# KiCad board e003_rocker.kicad_pcb (continued)
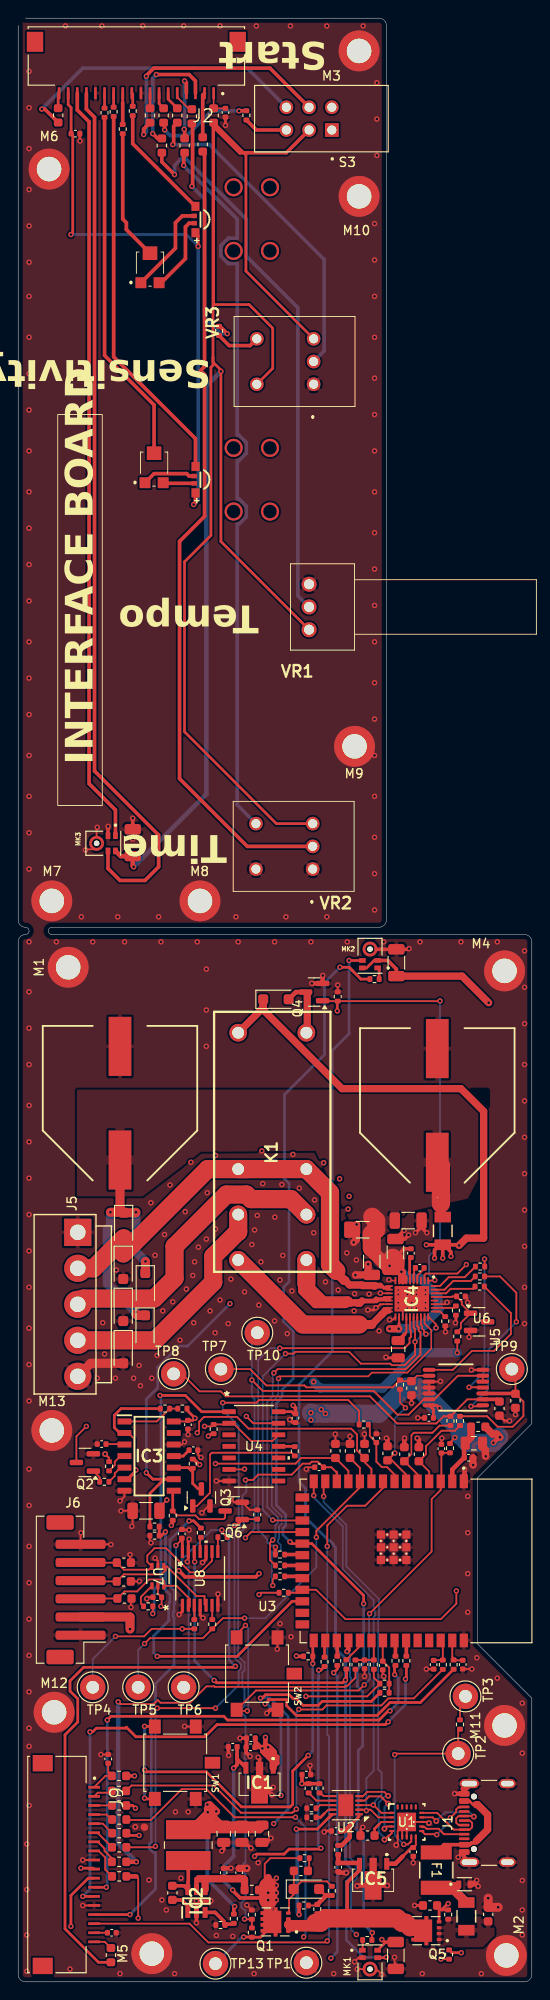
[diagram p0: board, top side]
## Library data of the parts (continued)

## Footprints (pads in the part's own frame, mm; a bottom-side part is the same pattern mirrored in y, then rotated)
BTN_ESWITCH_PBH2UXXSNPNAGX
  rect 1.508x1.508 hole 1: 1(0,0)
  round 1.508 hole 1: 2(-2.5,0) 3(-5,0) 4(0,2.5) 5(-2.5,2.5) 6(-5,2.5)
C_0402_1005Metric
  rrect 0.56x0.62 smd: 1(-0.48,0) 2(0.48,0)
C_0603_1608Metric
  rrect 0.9x0.95 smd: 1(-0.775,0) 2(0.775,0)
C_0805_2012Metric
  rrect 1x1.45 smd: 1(-0.95,0) 2(0.95,0)
C_1206_3216Metric
  rrect 1.15x1.8 smd: 1(-1.475,0) 2(1.475,0)
CAPP_PANASONIC_EEEFK0J682AM
  rect 6.5x2.5 smd: 1(-6.25,0) 2(6.25,0)
CONN_AMPHENOL_F51L-1A7H1-11018
  rect 0.3x1.3 smd: 1(-8.5,5.65) 2(-7.5,5.65) 3(-6.5,5.65) 4(-5.5,5.65) 5(-4.5,5.65) 6(-3.5,5.65) 7(-2.5,5.65) 8(-1.5,5.65) 9(-0.5,5.65) 10(0.5,5.65) 11(1.5,5.65) 12(2.5,5.65) 13(3.5,5.65) 14(4.5,5.65) 15(5.5,5.65) 16(6.5,5.65) 17(7.5,5.65) 18(8.5,5.65)
  rect 1.8x2.2 smd: S1(-11.15,0) S2(11.15,0)
CONN_JST_B5P-VH
  rect 3x3 hole 1.7: 1(-7.92,0)
  round 3 hole 1.7: 2(-3.96,0) 3(0,0) 4(3.96,0) 5(7.92,0)
D_SOD-123F
  rrect 1.1x1.1 smd: 1(-1.4,0) 2(1.4,0)
DFN-10-1EP_3x3mm_P0.5mm_EP1.65x2.38mm
  rrect 0.67x0.96 smd: (-0.41,0.595) (-0.41,-0.595) (0.41,0.595) (0.41,-0.595)
  rrect 0.85x0.25 smd: 1(-1.45,1) 2(-1.45,0.5) 3(-1.45,0) 4(-1.45,-0.5) 5(-1.45,-1) 6(1.45,-1) 7(1.45,-0.5) 8(1.45,0) 9(1.45,0.5) 10(1.45,1)
  rect 1.65x2.38 smd: 11(0,0)
DIOD_STM_ESDA25P35-1U1M
  rect 0.55x0.8 smd: A(0.625,0) C(-0.625,0)
IC_DIODES_AP738133Y13
  rect 0.55x1.3 smd: 1(-1.5,-0.394) 3(1.5,-0.394)
  rect 0.8x1.475 smd: 2(0,-0.306)
  rect 1.85x3.125 smd: 4(0,1.994)
IC_EXPIF_ESP32-S3-WROOM-1-N8R2
  rect 1.5x0.9 smd: 1(-8.75,5.26) 2(-8.75,3.99) 3(-8.75,2.72) 4(-8.75,1.45) 5(-8.75,0.18) 6(-8.75,-1.09) 7(-8.75,-2.36) 8(-8.75,-3.63) 9(-8.75,-4.9) 10(-8.75,-6.17) 11(-8.75,-7.44) 12(-8.75,-8.71) 13(-8.75,-9.98) 14(-8.75,-11.25) 27(8.75,-11.25) 28(8.75,-9.98) 29(8.75,-8.71) 30(8.75,-7.44) 31(8.75,-6.17) 32(8.75,-4.9) 33(8.75,-3.63) 34(8.75,-2.36) 35(8.75,-1.09) 36(8.75,0.18) 37(8.75,1.45) 38(8.75,2.72) 39(8.75,3.99) 40(8.75,5.26)
  rect 0.9x1.5 smd: 15(-6.985,-12.5) 16(-5.715,-12.5) 17(-4.445,-12.5) 18(-3.175,-12.5) 19(-1.905,-12.5) 20(-0.635,-12.5) 21(0.635,-12.5) 22(1.905,-12.5) 23(3.175,-12.5) 24(4.445,-12.5) 25(5.715,-12.5) 26(6.985,-12.5)
  rect 0.9x0.9 smd: 41_1(-1.5,-2.46) 41_2(-2.9,-2.46) 41_3(-0.1,-2.46) 41_4(-2.9,-3.86) 41_5(-1.5,-3.86) 41_6(-0.1,-3.86) 41_7(-2.9,-1.06) 41_8(-1.5,-1.06) 41_9(-0.1,-1.06)
  round 0.4 hole 0.2: 41_7(-2.9,-1.76) 41_7(-2.9,-3.16) 41_7(-2.2,-1.06) 41_7(-2.2,-2.46) 41_7(-2.2,-3.86) 41_7(-1.5,-1.76) 41_7(-1.5,-3.16) 41_7(-0.8,-1.06) 41_7(-0.8,-2.46) 41_7(-0.8,-3.86) 41_7(-0.1,-1.76) 41_7(-0.1,-3.16)
IC_NEXPERIA_74HC393D
  rect 1.46x0.533 smd: 1(-2.724,3.81) 2(-2.724,2.54) 3(-2.724,1.27) 4(-2.724,0) 5(-2.724,-1.27) 6(-2.724,-2.54) 7(-2.724,-3.81) 8(2.724,-3.81) 9(2.724,-2.54) 10(2.724,-1.27) 11(2.724,0) 12(2.724,1.27) 13(2.724,2.54) 14(2.724,3.81)
IC_NEXPERIA_74LVC1G386GW
  rect 0.787x0.356 smd: 1(-1.067,0.65) 2(-1.067,0) 3(-1.067,-0.65) 4(1.067,-0.65) 5(1.067,0) 6(1.067,0.65)
IC_RUNIC_RS2254XQ
  oval 1.4x0.45 smd: 1(-2.95,1.95) 2(-2.95,1.3) 3(-2.95,0.65) 4(-2.95,0) 5(-2.95,-0.65) 6(-2.95,-1.3) 7(-2.95,-1.95) 8(2.95,-1.95) 9(2.95,-1.3) 10(2.95,-0.65) 11(2.95,0) 12(2.95,0.65) 13(2.95,1.3) 14(2.95,1.95)
IC_TEXAS_TPD4S201TRGR
  oval 0.6x0.24 smd: 1(-1.65,1) 2(-1.65,0.5) 3(-1.65,0) 4(-1.65,-0.5) 5(-1.65,-1) 11(1.65,-1) 12(1.65,-0.5) 13(1.65,0) 14(1.65,0.5) 15(1.65,1)
  oval 0.24x0.6 smd: 6(-1,-1.65) 7(-0.5,-1.65) 8(0,-1.65) 9(0.5,-1.65) 10(1,-1.65) 16(1,1.65) 17(0.5,1.65) 18(0,1.65) 19(-0.5,1.65) 20(-1,1.65)
  round 0.5 hole 0.203: 21(-0.775,0) 21(0,0.775) 21(0,-0.775) 21(0.775,0)
  rect 2.05x2.05 smd: 21(0,0)
IC_TOSHIBA_74VHCT126AFT
  rect 1.41x0.356 smd: 1(-2.953,1.95) 2(-2.953,1.3) 3(-2.953,0.65) 4(-2.953,0) 5(-2.953,-0.65) 6(-2.953,-1.3) 7(-2.953,-1.95) 8(2.953,-1.95) 9(2.953,-1.3) 10(2.953,-0.65) 11(2.953,0) 12(2.953,0.65) 13(2.953,1.3) 14(2.953,1.95)
IND_TDK_VLCF5028T-220MR71-2
  rect 2.1x4.9 smd: 1(-1.7,0) 2(1.7,0)
INDC_TAY_FBMH3216HM221NT
  rect 1.168x1.803 smd: 1(-1.524,0) 2(1.524,0)
JST_PH_B6B-PH-SM4-TB_1x06-1MP_P2.00mm_Vertical
  rrect 1x5.5 smd: 1(-5,-0.5) 2(-3,-0.5) 3(-1,-0.5) 4(1,-0.5) 5(3,-0.5) 6(5,-0.5)
  rrect 1.6x3 smd: MP(-7.4,1.75) MP(7.4,1.75)
L_0603_1608Metric
  rrect 0.875x0.95 smd: 1(-0.787,0) 2(0.787,0)
LED_XINLIGHT_XL-3210RGBC-YG
  rect 0.5x0.6 smd: 1(-0.4,0.34) 2(0.4,0.34)
  rect 1x0.88 smd: 3(-1.45,0.2) 4(1.45,0.2)
MIC_KNOWLES_SPH0641LM4H-1
  round 0.6 hole 0.6 unplated: (0,0)
  rect 0.725x0.522 smd: 1(-0.838,2.074) 2(-0.838,1.252) 4(0.838,1.252) 5(0.838,2.074)
  custom 0.823x1.636 smd: 3_1(-0.662,0) 3_2(0.662,0)
MountingHole_2.7mm_M2.5_ISO7380_Pad
  round 4.5 hole 2.7: 1(0,0)
PFUSE_LITTLEFUSE_1812L20016DR
  rect 1.549x3.404 smd: 1(-1.943,0) 2(1.943,0)
POT_ALPS_RK09711110EL
  round 1.5 hole 1: 1(0,0) 2(0,2.5) 3(0,5) 4(-6.25,0) 5(-6.25,5)
POT_ALPS_RK097111080R
  round 1.65 hole 1.1: 1(0,0) 2(2.5,0) 3(5,0)
POT_BOURNS_TC33X2201E
  rect 1.2x1.2 smd: 1(-1,-1.625) 3(1,-1.625)
  rect 1.6x1.5 smd: 2(0,1.625)
QFN40P400X500X80-37N-D
  rect 0.8x0.2 smd: 1(-2,1.8) 2(-2,1.4) 3(-2,1) 4(-2,0.6) 5(-2,0.2) 6(-2,-0.2) 7(-2,-0.6) 8(-2,-1) 9(-2,-1.4) 10(-2,-1.8) 19(2,-1.8) 20(2,-1.4) 21(2,-1) 22(2,-0.6) 23(2,-0.2) 24(2,0.2) 25(2,0.6) 26(2,1) 27(2,1.4) 28(2,1.8)
  rect 0.2x0.8 smd: 11(-1.4,-2.5) 12(-1,-2.5) 13(-0.6,-2.5) 14(-0.2,-2.5) 15(0.2,-2.5) 16(0.6,-2.5) 17(1,-2.5) 18(1.4,-2.5) 29(1.4,2.5) 30(1,2.5) 31(0.6,2.5) 32(0.2,2.5) 33(-0.2,2.5) 34(-0.6,2.5) 35(-1,2.5) 36(-1.4,2.5)
  rect 2.8x3.8 smd: 37(0,0)
R_0402_1005Metric
  rrect 0.54x0.64 smd: 1(-0.51,0) 2(0.51,0)
REL_PANASONIC_JW2SN-DC12V
  round 1.95 hole 1.3: 1(0,-3.75) 2(0,3.75) 3(5,-3.75) 4(5,3.75) 5(10,-3.75) 6(10,3.75) 7(25,-3.75) 8(25,3.75)
SOIC127P600X175-14N
  rect 1.525x0.65 smd: 1(-2.712,3.81) 2(-2.712,2.54) 3(-2.712,1.27) 4(-2.712,0) 5(-2.712,-1.27) 6(-2.712,-2.54) 7(-2.712,-3.81) 8(2.712,-3.81) 9(2.712,-2.54) 10(2.712,-1.27) 11(2.712,0) 12(2.712,1.27) 13(2.712,2.54) 14(2.712,3.81)
SOT95P280X125-6N
  rect 1.2x0.55 smd: 1(-1.25,0.95) 2(-1.25,0) 3(-1.25,-0.95) 4(1.25,-0.95) 5(1.25,0) 6(1.25,0.95)
SOT-23
  rrect 1.475x0.6 smd: 1(-0.938,0.95) 2(-0.938,-0.95) 3(0.938,0)
SW_SPST_B3S-1100
  rect 1.55x1.3 smd: 1(-3.98,3.17) 1(3.98,3.17) 2(-3.98,-1.33) 2(3.98,-1.33)
  rect 1.3x1.7 smd: 3(0,-3.17)
TestPoint_Loop_D2.60mm_Drill1.4mm_Beaded
  round 2.8 hole 1.4: 1(0,0)
TRAN_ALPHA__AONR21307
  rect 0.5x0.35 smd: 1(-1.4,0.975) 2(-1.4,0.325) 3(-1.4,-0.325) 4(-1.4,-0.975)
  custom 2.29x3.22 smd: 5_6_7_8(0,0)
USB_C_Receptacle_GCT_USB4105-xx-A_16P_TopMnt_Horizontal
  round 0.65 hole 0.65 unplated: (-2.89,2.605) (2.89,2.605)
  rrect 0.6x1.15 smd: A1(-3.2,3.68) A4(-2.4,3.68) A9(2.4,3.68) A12(3.2,3.68) B1(3.2,3.68) B4(2.4,3.68) B9(-2.4,3.68) B12(-3.2,3.68)
  rrect 0.3x1.15 smd: A5(-1.25,3.68) A6(-0.25,3.68) A7(0.25,3.68) A8(1.25,3.68) B5(1.75,3.68) B6(0.75,3.68) B7(-0.75,3.68) B8(-1.75,3.68)
  oval 1x2.1 hole 0.6x1.7: S1(-4.32,3.105) S1(4.32,3.105)
  oval 1x1.8 hole 0.6x1.4: S1(-4.32,-1.075) S1(4.32,-1.075)

## Nets
+3V3: C10.1 C11.1 C13.1 C14.1 C15.1 C16.1 C47.1 C55.1 L4.2 L6.2 L13.2 MK1.5 MK2.2 MK2.5 R2.2 R8.2 R9.2 R20.2 R21.2 R33.2 R41.2 R50.2 U6.14 U8.14
+5V: C6.1 C7.1 C30.1 C33.1 C63.1 IC1.1 IC3.14 J6.2 R23.2 R25.2 R29.2 R34.2 R36.2 R39.2 U4.14 U7.5
+12V: C1.1 D2.1 IC1.3 K1.8 L2.1 L14.2 Q1.5_6_7_8 R11.2 R49.1 TP13.1
/3V3_LDO: C57.1 IC5.1 U1.10
/5V5: C20.1 J9.17
/interface_board/3V3: C17.1 L1.2 MK3.5 S3.2 VR1.1 VR2.3 VR3.3 VR3.4
/interface_board/5V5: C60.1 J2.17 LED1.3 LED2.3
/VBUS_CUT: C4.1 L3.2 Q5.1 Q5.2 Q5.3 R72.2
/VBUS_PORT: F1.1 J1.A4 J1.A9 J1.B4 J1.B9
/VBUS_TVS: D1.C F1.2 L3.1
GND: C1.2 C2.2 C3.2 C4.2 C5.2 C6.2 C7.2 C9.2 C10.2 C11.2 C12.2 C13.2 C14.2 C15.2 C16.2 C17.2 C18.2 C19.2 C20.2 C21.2 C22.2 C23.2 C24.2 C25.2 C26.2 C27.2 C28.2 C29.2 C30.2 C31.2 C32.2 C33.2 C34.2 C35.2 C36.2 C37.2 C38.2 C39.2 C41.1 C42.2 C44.2 C45.2 C46.2 C47.2 C48.2 C49.2 C50.2 C51.2 C52.2 C53.2 C54.2 C55.2 C56.2 C57.2 C59.2 C60.2 C61.2 C62.2 C63.2 D1.A D4.2 D6.2 D8.2 IC1.2 IC1.4 IC2.2 IC3.7 IC3.12 IC4.10 IC4.13 IC4.16 IC4.19 IC4.21 IC4.31 IC4.37 IC5.2 IC5.4 J1.A1 J1.A12 J1.B1 J1.B12 J1.S1 J2.9 J2.14 J5.1 J5.5 J6.1 J6.6 J9.9 J9.14 M1.1 M2.1 M3.1 M4.1 M5.1 M6.1 M7.1 M8.1 M9.1 M10.1 M11.1 M12.1 M13.1 MK1.2 MK1.3_1 MK1.3_2 MK2.3_1 MK2.3_2 MK3.2 MK3.3_1 MK3.3_2 Q2.2 Q3.2 Q4.2 Q6.2 R3.1 R4.1 R12.1 R13.1 R31.1 R42.1 R44.1 R52.1 R57.1 SW1.2 SW2.2 TP1.1 U1.6 U1.7 U1.8 U1.13 U1.21 U2.11 U3.1 U3.40 U3.41_1 U3.41_2 U3.41_3 U3.41_4 U3.41_5 U3.41_6 U3.41_7 U3.41_8 U3.41_9 U4.7 U5.2 U6.7 U6.10 U6.11 U6.12 U7.2 U8.1 U8.4 U8.7 U8.10 U8.13 VR1.3 VR2.1 VR2.4 VR3.1
VBUS: C56.1 IC5.3 Q1.1 Q1.2 Q1.3 Q5.5_6_7_8 R6.2 R51.1
/DRV-HIZ_N: IC4.24 IC4.26 IC4.28 U3.17
/DRV_FAULT: IC4.2 R41.1 U3.23
/ESP-RXD: U3.36
/ESP-TXD: U3.37
/ESP_EN: C25.1 R21.1 SW2.1 U3.3
/ESP_IO0: R20.1 SW1.1 U3.27
/FAULT_RESET_IN: L23.1 U3.30
/GIO46: U3.16
/GIO48: U3.25
/HALL-A: C24.1 R46.1 TP4.1 U3.9
/HALL-B: C28.1 R47.2 TP5.1 U3.10
/HALL-C: C29.1 R48.1 TP6.1 U3.11
/interface_board/FAULT_RESET_IN: L17.1 S3.5
/interface_board/FAULT_RESET_OUT: L19.1 S3.6
/interface_board/MIC_CLK_BUFFERED: J2.15 MK3.4
/interface_board/MIC_DATA2: J2.16 MK3.1
/interface_board/ON_BTN: L12.1 VR2.5
/interface_board/ON_LED_GB: J2.11 R70.2
/interface_board/ON_LED_R: J2.10 R68.1
/interface_board/POT_SENSOR: L15.1 VR3.2
/interface_board/POT_SPEED: L11.1 VR1.2
/interface_board/POT_TIME: L10.1 VR2.2
/interface_board/SENS_LED_GB: J2.13 R28.2
/interface_board/SENS_LED_R: J2.12 R66.1
/interface_board/SENSOR_BTN: L18.1 R27.2
/interface_board/START_BTN: L16.1 R71.2
/ISENS_A: C50.1 R17.2 TP9.1 U6.3
/ISENS_B: C51.1 R15.2 TP8.1 U6.2
/ISENS_C: C49.1 R14.2 TP7.1 U6.9
/MIC_CLK: MK1.4 MK2.4 R22.2 U8.12
/MIC_CLK_BUFFERED: J9.15 R55.1
/MIC_DATA1: R7.1 R10.1 U3.19
/MIC_DATA2: J9.16 U3.8
/Motor Control/DRV-INHA: IC4.23 R19.2
/Motor Control/DRV-INHB: IC4.25 R18.2
/Motor Control/DRV-INHC: IC4.27 R16.2
/Motor Control/DRV_AVDD: C45.1 IC4.22
/Motor Control/HALL_A: C54.1 J6.3 U7.6 U8.2
/Motor Control/HALL_B: C53.1 J6.4 U7.1 U8.5
/Motor Control/HALL_C: C52.1 J6.5 U7.3 U8.9
/Motor Control/HALL_EDGE: R45.2 U4.1
/Motor Control/MIC_CLOCK_BUFFERED: R55.2 U8.11
/Motor Control/MTR_U: D3.2 D4.1 J5.4 K1.4
/Motor Control/MTR_V: D5.2 D6.1 J5.3 K1.3
/Motor Control/MTR_W: D7.2 D8.1 IC4.11 IC4.12 J5.2 K1.5 K1.6
/Motor Control/nSLEEP: IC3.9 IC4.1 Q4.1 R42.2 R43.2
/Motor Control/VM: C32.1 C34.1 C36.1 C37.1 C38.1 C39.1 C43.1 D3.1 D5.1 D7.1 IC4.7 IC4.8 IC4.9 IC4.20 L14.1
/ON_BTN: L9.1 R73.1
/ON_LED_GB: J9.11 R59.1
/ON_LED_R: J9.10 R56.1
/PORT_FLT: R1.1 TP2.1 U1.9
/POT_SENS_FILT: C46.1 R60.1 U3.7
/POT_SENSOR: L21.1 R60.2
/POT_SPEED: L8.1 R30.2
/POT_SPEED_FILT: C5.1 R30.1 U3.39
/POT_TIME: L7.1 R32.2
/POT_TIME_FILT: C9.1 R32.1 U3.38
/RESET_FAULT: L25.1 Q6.1 R13.2
/SAMPLE_HOLD: TP10.1 U3.18 U6.5 U6.6 U6.13
/SCL: R9.1 U2.7
/SDA: R8.1 U2.6
/SENS_LED_GB: J9.13 R61.1
/SENS_LED_R: J9.12 R62.1
/SENSOR_BTN: L20.1 R54.1
/SPEED_FAULT: R43.1 R44.2 U3.24
/START_BTN: L22.1 R53.1
USB_DM: U1.1 U2.3 U3.13
USB_DP: U1.2 U2.2 U3.14
VM_SENSE: C18.1 R11.1 R12.2 U3.12
Net-(C58-Pad2): C58.2 R49.2
Net-(D2-A): D2.2 K1.7 Q4.3
Net-(D9-A): D9.2 R5.2 R6.1 R58.2
Net-(D9-K): C58.1 D9.1 Q1.4 R58.1
Net-(IC2-BOOT): C8.1 IC2.1
Net-(IC2-EN): C2.1 C3.1 IC2.4 IC2.5 L2.2
Net-(IC2-FB): IC2.3 R2.1 R3.2
Net-(IC2-SW): C8.2 IC2.6 L4.1
Net-(IC3B-1CONT): C35.1 IC3.3
Net-(IC3B-1DISCH): IC3.1 R23.1 R24.2
Net-(IC3B-1OUT): IC3.5 R26.2
Net-(IC3B-1RESET): IC3.4 R25.1
Net-(IC3B-1THRES): C31.1 IC3.2 IC3.6 R24.1
Net-(IC3C-2CONT): C48.1 IC3.11
Net-(IC3C-2RESET): IC3.10 Q3.3 R36.1
Net-(IC3C-2TRIG): IC3.8 Q6.3 R39.1
Net-(IC4-CP): C43.2 IC4.6
Net-(IC4-CPH): C40.1 IC4.5
Net-(IC4-CPL): C40.2 IC4.4
Net-(IC4-CSAREF): C42.1 IC4.33 R34.1 U5.1
Net-(IC4-GAIN): IC4.29 R4.2
Net-(IC4-OUTB_1): IC4.14 IC4.15 K1.1
Net-(IC4-OUTC_1): IC4.17 IC4.18 K1.2
Net-(IC4-SLEW): IC4.30 R31.2
Net-(IC4-SOA): IC4.36 R37.2
Net-(IC4-SOB): IC4.35 R38.2
Net-(IC4-SOC): IC4.34 R40.2
Net-(J1-CC1): J1.A5 U1.12
Net-(J1-CC2): J1.B5 U1.11
Net-(J2-Pin_1): C61.1 J2.1 L1.1
Net-(J2-Pin_2): J2.2 L10.2
Net-(J2-Pin_3): J2.3 L11.2
Net-(J2-Pin_4): J2.4 L12.2
Net-(J2-Pin_5): J2.5 L18.2
Net-(J2-Pin_6): J2.6 L15.2
Net-(J2-Pin_7): J2.7 L16.2
Net-(J2-Pin_8): J2.8 L17.2
Net-(J2-Pin_18): J2.18 L19.2
Net-(J9-Pin_1): C19.1 J9.1 L6.1
Net-(J9-Pin_2): J9.2 L7.2
Net-(J9-Pin_3): J9.3 L8.2
Net-(J9-Pin_4): J9.4 L9.2
Net-(J9-Pin_5): J9.5 L20.2
Net-(J9-Pin_6): J9.6 L21.2
Net-(J9-Pin_7): J9.7 L22.2
Net-(J9-Pin_8): J9.8 L23.2
Net-(J9-Pin_18): J9.18 L25.2
Net-(LED1-B): LED1.1 RV2.3
Net-(LED1-G): LED1.2 RV2.1
Net-(LED1-R): LED1.4 R66.2
Net-(LED2-B): LED2.1 RV1.3
Net-(LED2-G): LED2.2 RV1.1
Net-(LED2-R): LED2.4 R68.2
Net-(MK1-DATA): MK1.1 R7.2
Net-(MK2-DATA): MK2.1 R10.2
Net-(Q2-DRAIN): Q2.3 R29.1 U4.2 U4.12
Net-(Q2-GATE): Q2.1 R26.1
Net-(Q3-GATE): Q3.1 R35.2
Net-(Q5-G): C62.1 Q5.4 R72.1 R73.2
Net-(R1-Pad2): R1.2 TP3.1
Net-(R28-Pad1): R28.1 RV2.2
Net-(R45-Pad1): R45.1 U7.4
Net-(R70-Pad1): R70.1 RV1.2
Net-(R71-Pad1): R71.1 S3.3
Net-(U1-C_CC1): U1.4 U2.4
Net-(U1-C_CC2): U1.5 U2.5
Net-(U1-SBU1): J1.A7 J1.B7 U1.15
Net-(U1-SBU2): J1.A6 J1.B6 U1.14
Net-(U1-VBIAS): C41.2 U1.3
Net-(U2-GATE): R5.1 U2.10
Net-(U2-ISET): R57.2 U2.9
Net-(U2-VBUS): C12.1 R51.2 U2.1
Net-(U2-VSET): R52.2 U2.8
Net-(U3-3V3): C26.1 C27.1 L13.1 U3.2
Net-(U3-IO4): C23.1 R17.1 U3.4
Net-(U3-IO5): C22.1 R15.1 U3.5
Net-(U3-IO6): C21.1 R14.1 U3.6
Net-(U3-IO12): R19.1 U3.20
Net-(U3-IO13): R18.1 U3.21
Net-(U3-IO14): R16.1 U3.22
Net-(U3-IO35): R56.2 U3.28
Net-(U3-IO36): R59.2 U3.29
Net-(U3-IO38): R22.1 U3.31
Net-(U3-IO39): C44.1 R33.1 R53.2 U3.32
Net-(U3-IO40): C59.1 R50.1 R54.2 U3.33
Net-(U3-IO41): R62.2 U3.34
Net-(U3-IO42): R61.2 U3.35
Net-(U4-1Q3): U4.6 U4.13
Net-(U4-2Q0): R35.1 U4.11
Net-(U6-SIG_A_IN_OUT): R38.1 U6.1
Net-(U6-SIG_B_IN_OUT): R37.1 U6.4
Net-(U6-SIG_C_IN_OUT): R40.1 U6.8
Net-(U8-1Y): R46.2 U8.3
Net-(U8-2Y): R47.1 U8.6
Net-(U8-3Y): R48.2 U8.8
Net-(VR3-NO): R27.1 VR3.5

Pads without a net: IC3 13; IC4 3 32; J1 A8 B8; J2 S1 S2; J6 MP; J9 S1 S2; S3 1 4; SW1 3; SW2 3; U1 16 17 18 19 20; U3 15 26; U4 3 4 5 8 9 10; U5 3

## Via types
v1: diameter 2, hole 1.5, Top to Bottom, 8 vias
v2: diameter 0.6, hole 0.3, Top to Bottom, 510 vias
v3: diameter 0.45, hole 0.2, Top to Bottom, 20 vias
v4: diameter 0.65, hole 0.3, Top to Bottom, 13 vias

## Routing (per net, layer and track width the routed paths; a pad name or vN(x,y) marks a point on that pad's centre or on a via; arc(x,y) is an arc through that point)
+3V3: length 270.7
  Top w0.2: v2(48.03,59.87) 47.5,59.34 ; v2(26.5,42.6) 26.7,42.8 R41.2 ; 18,48.65 v2(17.35,48) ; v2(31.65,31.4) 38.39,31.4 R50.2 39.12,33.47 R33.2
  Top w0.3: v2(40,4.65) 40.27,4.38 C11.1 40.44,4.38 MK1.5 ; MK2.2 39.15,112.35 38.33,111.53 MK2.5 ; 18.06,48.9 18.06,47.34 ; v2(46.35,63.1) 46.03,63.42 U6.14 45.67,62.95 C47.1
  Top w0.4: v2(17.67,45.22) 18.35,44.54 26.14,44.54 v2(26.5,44.9) ; C16.1 31.22,21.82 v2(31.2,21.8) 31.2,21.8 R9.2 R8.2 ; 11.88,22.65 v2(12.8,22.65) ; R2.2 23.72,8.2 v2(23.81,8.29) ; L4.2 20.81,18.84 v2(20.81,19.5) ; v2(20.81,19.5) 20.81,19.04 C10.1 ; v2(20.81,19.5) 21.05,19.5 ; R20.2 30.65,35.8 v2(30.6,35.85) ; C15.1 41.6,111.4 40.65,112.35 MK2.2
  Top w0.5: v2(52.28,59.3) 52.88,59.9 v2(53,59.9)
  Top w0.8: 20.85,18.15 19.44,16.74 ; 20.85,18.15 21.76,17.24 C10.1 ; 20.85,18.15 20.85,19 20.81,19.04 ; 20.85,18.15 21.2,18.15 v2(21.8,18.75) 21.05,19.5 ; L13.2 52.18,60.26 52.64,60.26 v2(53,59.9) ; 19.21,17.24 C14.1 26.81,16.99 26.56,16.74 L4.2 ; C15.1 48.82,110.62 v2(51.75,107.7)
  In2.Cu w0.175: 33.7,62.6 v2(33.8,62.5)
  In2.Cu w0.3: v2(23.81,8.29) 24.62,9.1 25.42,9.1 26.18,8.34 36.93,8.34 40,5.27 v2(40,4.65) ; 29.2,31.9 29.7,31.4 v2(31.65,31.4)
  In2.Cu w0.4: v2(12.8,22.65) 15.56,19.89 21.2,19.89 ; 29.2,25.1 29.2,23.8 v2(31.2,21.8) ; v2(30.6,35.85) 29.65,35.85 27.45,33.65
  In2.Cu w0.8: v2(21.8,18.75) 20.95,18.75 v2(20.85,18.65) ; v2(51.75,107.7) 53,106.45 v2(53,59.9)
  In2.Cu w2: v2(32.2,62.6) 33.7,62.6 32.3,61.2 32.3,59.7 29.6,57 29.6,55.6 26.5,52.5 v2(26.5,44.9) v2(26.5,42.6) 26.5,34.6 29.2,31.9 29.2,25.1 23.99,19.89 21.2,19.89 v2(20.81,19.5)
  Bottom w0.2: v2(17.35,48) 17.35,45.55 v2(17.67,45.22)
  Bottom w0.4: v2(20.81,19.5) 20.81,11.29 v2(23.81,8.29)
  Bottom w2: 52.94,59.96 v2(52.28,59.3) 49.4,59.3 48.6,60.1 48.6,60.75 43.89,65.46 42.65,65.46 39.69,62.5 v2(33.8,62.5) 32.3,62.5 v2(32.2,62.6)
  vias: v2(32.2,61.8) v2(33.34,62.96)
+5V: length 181.7
  Top w0.2: U7.5 15.37,42.71 C63.1 15.78,41.38 v2(15.7,41.3) ; 10,57.62 v4(9.56,58.05) 10,57.62 ; 10,57.62 R25.2 ; R29.2 21.17,60.29 v2(20.92,60.03) ; 18.67,61.9 18.41,61.64 IC3.14 ; R34.2 v2(48.3,69.2)
  Top w0.3: v2(16.85,50.2) 17,50.35 R39.2 ; C30.1 19.21,61.76 v2(19.45,62) 18.57,62.87 R23.2 ; U4.14 30.07,62.71 30.3,62.48
  Top w0.4: v2(27.5,25.8) 28.55,24.75 28.55,24.05 IC1.1 ; 26.08,25.85 C7.1 26.08,26.46 v2(26.86,25.67) ; C33.1 30.5,63.14 v2(30.24,63.4) ; 19.29,57.5 19.9,56.89 v2(19.96,56.89) ; C6.1 26.6,25.8 27.27,25.12
  Top w0.5: v2(27.2,26.9) 27.2,26.1 v2(27.5,25.8) 27.4,25.7 26.89,25.7 v2(26.86,25.67) 26.86,25.54 28.05,24.35 IC1.1
  Top w0.8: IC1.1 28.05,25.25 v2(27.5,25.8) ; 27,25.7 27,25.4 27.85,24.55
  Top w1: v2(12.3,38.8) 12.3,40.13 J6.2
  In2.Cu w0.2: 16.3,42.2 15.7,41.6 v2(15.7,41.3)
  In2.Cu w0.3: v2(16.85,50.2) 16.7,50.35 13.6,50.35
  In2.Cu w0.4: 19.1,57.4 19.61,56.89 v2(19.96,56.89)
  In2.Cu w1: v2(27.5,25.8) 23.8,25.8 23.2,26.4 18.58,26.4 17.3,27.69 17.3,31.32 15,33.62 15,33.7 12.3,36.4 v2(12.3,38.8) ; v2(27.5,25.8) 27.2,26.1 ; v2(27.5,25.8) 26.05,27.25 ; 26.05,27.25 23.5,29.8 23.5,32.7 23.05,33.15 23.05,33.85 19.33,37.57 19.33,42.93 21.3,44.9 21.3,52.08 19.1,54.28 19.1,58.17 19.84,58.91 19.84,58.96 v2(20.92,60.03) 22.47,61.58 ; 26.05,27.25 24.55,28.75 20.75,28.75 20,29.5 20,33.3 16.3,37 16.3,42.2 14.8,43.7 14.8,45.2 13.6,46.4 13.6,54.02 v4(9.56,58.05) ; v2(32.5,66) 32.5,65.7 30.1,63.3 24.18,63.3 22.47,61.58 ; 22.47,61.58 21.95,62.1 19.55,62.1 v2(19.45,62)
  Bottom w1: v2(32.5,66) 33.2,65.3 40.08,65.3 43.98,69.2 v2(48.3,69.2)
+12V: length 103.7
  Top w0.2: 27.5,10.49 27.12,10.87 27.12,12.98 27.73,13.6 R49.1
  Top w0.3: R11.2 26.63,4.91 Q1.5_6_7_8 ; v2(24.8,4.94) 25.68,4.94
  Top w0.4: 46.38,81.08 45.8,80.5 v2(45.8,79.6) ; v2(44.9,81.08) L14.2 ; L14.2 v2(46.7,79.6) ; L14.2 48.42,81.08 v2(48.5,81) ; IC1.3 24.08,24.52 24.08,25.05 ; v2(23.6,10.1) 23.6,10.04 24.42,9.22 27.26,9.22 v2(27.5,8.99) ; 46.82,81.08 47.6,80.3 v2(47.6,79.8) ; 24.08,25.05 C1.1 ; 24.08,25.05 24.08,23.88 v2(23.7,23.5)
  Top w0.8: 27.5,11.46 27.5,10.49 ; K1.8 26.95,107.15 D2.1 26.95,106.92 35.62,98.25 48.7,98.25 51.2,95.75 51.2,81.8 49.3,81.8 v2(48.5,81)
  Top w1: v2(27.5,8.99) 27.5,7.4 Q1.5_6_7_8
  Top w2: 27.5,10.49 v2(27.5,8.99)
  Bottom w0.3: v2(24.8,4.94) 24.64,4.94 TP13.1
  Bottom w0.4: v2(23.7,23.5) 23.7,13.79 22.7,12.79 22.7,11 v2(23.6,10.1)
  vias: v2(27.5,9.8) v2(28.4,11.4) v2(28.4,10.6) v2(28.4,9.8) v2(28.4,9)
/3V3_LDO: length 4.9
  Top w0.2: C57.1 43.74,15.05 U1.10
  Top w0.3: 42.3,13.8 43.27,14.77 C57.1
  Top w0.5: IC5.1 41.49,12.99 42.3,13.8
/5V5: length 1.5
  Top w0.2: C20.1 J9.17
/interface_board/3V3: length 258.7
  Top w0.3: VR2.3 28.4,127.4 18.3,137.5 18.3,156.2 21.2,159.1 21.2,177.6 21.43,177.83 21.43,178.7 ; 21.43,178.7 21.43,204.44 ; 21.43,178.7 21.43,178.17 22.3,177.3 v2(22.3,177.15) 22.3,158.43 VR1.1 ; VR3.3 25.05,188.18 25.05,200.96 L1.2 21.5,184.5 25.4,184.5 28,181.9 28,177.48 VR3.4
  Top w0.4: L1.2 21.5,204.08 24.38,201.2 29.5,201.2 S3.2
  Top w0.5: MK3.5 11.27,123.83 C17.1 12.6,122.75 v2(12.7,122.65)
  Bottom w0.5: v2(22.3,177.15) 20.7,175.55 20.7,130.65 v2(12.7,122.65)
/interface_board/5V5: length 62
  Top w0.3: LED2.3 19.8,192.1 v2(19.8,190.9) ; J2.17 5.5,206.49 5.82,206.17 C60.1 6,203.12 6,192.4 v2(5.8,192.2)
  Top w0.4: v2(19.3,162.5) 19.5,162.7 LED1.3
  Bottom w0.3: v2(5.8,192.2) 18.5,192.2 v2(19.8,190.9)
  Bottom w0.4: v2(19.3,162.5) 19.8,163 v2(19.8,190.9)
/VBUS_PORT: length 11.2
  Top w0.3: 50.39,19.49 50.04,19.49 49.64,19.89 J1.A9
  Top w0.4: 50.18,15.27 49.85,15.27 49.67,15.09 J1.A4 46.85,15.09 F1.1
  Top w0.8: 50.39,15.49 51.64,16.74 51.64,18.39 50.54,19.49 50.39,19.49
/VBUS_TVS: length 8.9
  Top w0.3: 48.1,10.74 48.1,9.92 L3.1
  Top w0.5: 48.46,10.41 D1.C 46.38,10.74
  Top w1: F1.2 47.68,10.34 L3.1
GND: length 148.7
  Top w0.175: v2(40.77,77.23) 40.88,77.14 IC4.10 ; v2(46.45,66.05) 46.42,66.02 U6.10 U6.12 ; v2(39.84,75.76) 39.86,75.73 IC4.13 ; v2(31.7,56.4) 31.9,56.6 C18.2 ; IC4.16 40.13,74.54 ; IC4.21 42.3,74.14
  Top w0.2: v2(38.08,60.25) 38.1,60.23 C24.2 ; C30.2 18.67,60.23 v2(18.7,60.2) ; IC3.7 11.69,53.39 v2(11.2,52.9) ; 41.54,1.96 41.4,2.1 v2(41.4,2.7) ; v2(15.05,46.6) 15.37,46.28 U7.2 ; MK1.2 37.45,2.65 v2(37,2.2) ; U1.21 41.74,16.59 U1.6 41.74,15.19 v4(41.59,15.04) ; v2(49.6,70.9) 49.6,71.49 ; v2(28.5,36.6) 28.53,36.63 SW2.2 ; C19.2 v2(9.1,25) ; v2(36.5,60) C28.2 ; MK3.3_2 7.47,124.58 v2(7.4,124.5) ; v2(11.3,51.8) 11.31,51.81 C31.2 12.59,50.19 v2(12.5,50.1) ; C5.2 49.89,34.41 v2(49.9,34.4) ; v4(45.17,17.46) 45.05,17.59 U1.13 U1.21 ; J9.9 v2(7.1,13.4) ; v2(35.15,109.65) R42.1 ; v2(43.95,62.04) 43.96,62.03 C47.2 ; C29.2 34.9,60.23 v2(34.88,60.25) ; v2(49.85,67.3) 51.08,67.3 ; J9.14 v2(7.1,8.4) ; C53.2 13.33,44.05 v2(13.34,44.06) ; MK3.3_1 8.63,126.93 v2(8.7,127) ; IC4.31 46.97,74.54 v2(47.17,74.73) ; C57.2 v2(43.46,13.09) ; 39.4,1.4 v2(40,0.8) ; U1.8 U1.21 ; v2(40.85,72.84) 41.2,72.84 IC4.19 ; v2(18.3,28.1) 18.32,28.08 SW1.2 ; C48.2 19.76,58.02 v2(20.1,57.68) ; R13.1 25.48,51.91 Q6.2 23.75,52.75 v2(23.4,53.1) ; C25.2 46.55,59.75 v2(46.6,59.8) ; C9.2 v2(44.9,34.4) ; 32.1,23 v2(32.1,23.8) ; v2(6.9,49.4) 6.86,49.36 J6.6 10.17,48.13 v2(10.2,48.1) ; v2(14.15,42.15) 14.31,42.3 C63.2 ; U1.7 42.24,17.09 ; 40.13,74.54 40.13,74.53 39.82,74.53 39.45,74.15 v2(39.35,74.15) ; U4.7 21.81,55.09 v2(21.8,55.1) ; v2(12.4,41.2) 12.4,42.1 ; C59.2 40.1,33.71 v2(40.21,33.6) ; MK1.3_1 v2(37.3,1.4) ; R44.1 14.49,48.41 v2(14.6,48.3) ; C44.2 v2(38.1,33.6) ; v2(18.3,59.4) 18,59.1 IC3.12 ; v2(49.43,74.73) 49.43,75.15 C42.2 ; 20.94,52.34 v2(20.2,51.6) ; R12.1 v2(25.15,8.45) ; v2(12.3,47) 12.3,46.21
  Top w0.3: C62.2 v2(43.6,8.4) ; v2(6.8,202.5) 6.78,202.52 C60.2 ; v2(21.98,42.67) 21.97,42.65 U8.7 ; v2(40.45,68.7) 40.51,68.64 C45.2 ; v2(33.66,16.49) 33.76,16.59 C12.2 ; 18.72,46.57 U8.13 18.72,48.59 v2(18.81,48.68) ; v2(37.9,17) 37.7,16.8 37.7,16.1 ; v2(17.7,40.4) 18.07,40.77 U8.1 ; v2(43.27,63.65) 43.27,63.96 43.26,63.97 43.26,64.78 ; v2(48.1,72.5) 48.15,72.55 R31.1 ; C51.2 53.52,61.7 v2(54.05,61.7) ; v2(38.45,73.9) 39.1,73.9 v2(39.35,74.15) ; 39.39,113.58 MK2.3_1 ; v2(47,71.5) 46.97,71.53 R4.1 ; v2(20.33,40.03) 20.02,40.34 U8.4 ; v2(54.7,62.4) C50.2 ; v2(29.86,61.85) 30.18,61.52 C33.2 ; U8.10 20.67,46.5 v2(20.28,46.12) ; 42.92,113.58 v2(43,113.65) ; C61.2 v2(22.8,204.2) ; v2(18.8,49.7) 18.06,49.7
  Top w0.4: v2(25.5,24.8) 25.07,25.23 C6.2 ; v2(44.95,82.4) 44.38,82.98 44.38,83.73 ; C37.2 42.51,81.71 v2(42.95,82.15) ; IC1.2 26.55,24.55 v2(26.4,24.7) ; C1.2 23.12,24.93 v2(23.15,24.9) ; v2(24.4,26.8) C7.2 25.12,25.85 ; v2(12.6,125.7) C17.2 v2(12.6,128) ; v2(9.9,127.1) 9.88,127.08 MK3.2 ; 41.51,81.71 v2(42.45,82.65) ; 24.96,15.34 v2(25.6,14.7) ; J1.S1 49.06,13.74 J1.A1 ; 39.39,113.58 C15.2 42.92,113.58 ; v2(22.4,14.4) 22.61,14.61 22.61,15.09 ; 44.38,83.08 v2(43.7,82.4) ; v2(27.9,20.55) 27.29,21.16 IC1.4 27.81,21.16 v2(28.05,21.4) ; SW2.2 27.72,29.92 v2(27.35,29.55) ; 48.99,14.29 v2(48.4,13.7) ; v2(21.2,8.9) 21.19,8.89 v2(19.61,8.89) IC2.2 v2(19.61,6.49) ; v2(27.8,15.8) 27.34,15.34
  Top w0.5: C23.2 44.08,59.62 v2(43.9,59.8) ; v2(40.5,59.8) 40.63,59.67 C21.2 ; v2(50.43,11.16) 50.01,10.74 D1.A 50.37,10.74 v2(50.6,10.51) ; v2(33.5,110.7) 33.49,110.69 33.49,109.83 v2(32.3,109.83) ; U3.1 49.02,55.72 49.1,55.8 v2(49.1,56.4) ; v4(37.3,10.54) 37.35,10.6 IC5.4 40.59,10.6 v4(40.6,10.59) ; v2(48,20.7) 48.01,20.69 J1.A12 49.06,21.23 ; v2(23.4,12.5) 22.63,12.5 ; v4(36.1,12) 35.32,12 C56.2 ; C22.2 42.48,59.78 v2(42.5,59.8)
  Top w0.8: C26.2 51.08,58.82 51.4,58.5 51.4,57.84 v2(51.44,57.8) ; v2(50.05,56.85) 50.03,56.87 C27.2 ; v2(37.1,77.73) 37.12,77.76 38.5,77.76 v2(38.5,78.94) ; v2(36.9,81.34) 37.2,81.64 37.2,82.39 37.22,82.41 v2(37.22,83.31) ; 49.06,21.23 J1.S1 ; v2(25.15,12.5) 25.13,12.48 C3.2 ; 13.9,17 13.88,17.03
  Top w1: J5.5 7.98,68.04 11.55,68.04 ; v2(51.7,9.2) C4.2 v2(52.8,8.2)
  Bottom w0.2: 44.49,17.59 U1.13 U1.21
  vias: v2(0.95,15.15) v2(0.95,10.15) v2(0.95,5.15) v2(0.95,1.15) v2(1.2,210.15) v2(1.2,206.15) v2(1.2,201.65) v2(1.2,197.15) v2(1.2,193.15) v2(1.2,189.15) v2(1.2,185.4) v2(1.2,180.9) v2(1.2,176.9) v2(1.2,172.9) v2(1.2,168.4) v2(1.2,163.9) v2(1.2,159.9) v2(1.2,155.9) v2(1.2,151.9) v2(1.2,147.4) v2(1.2,143.4) v2(1.2,139.4) v2(1.2,134.9) v2(1.2,130.4) v2(1.2,126.4) v2(1.2,122.4) v2(1.2,114.4) v2(1.2,108.9) v2(1.2,104.9) v2(1.2,100.9) v2(1.2,96.4) v2(1.2,92.4) v2(1.2,88.4) v2(1.2,84.4) v2(1.2,80.4) v2(1.2,76.4) v2(1.2,71.9) v2(1.2,67.9) v2(1.2,63.9) v2(1.2,56.4) v2(1.2,52.4) v2(1.2,47.9) v2(1.2,43.9) v2(1.2,39.9) v2(1.2,35.9) v2(1.2,31.9) v2(1.2,27.9) v2(1.2,25.9) v2(1.2,19.4) v2(4.2,114.4) v2(5.2,215.15) v2(5.7,1.4) v2(6.95,117.15) v2(8.2,114.4) v2(8.7,66.4) v2(9.2,215.15) v2(9.3,72.5) v2(9.5,69.07) v2(10.7,66.4) v2(10.8,78.3) v2(10.95,117.15) v2(11.2,0.9) v2(11.7,114.4) v2(12.7,66.4) v2(13.3,67.8) v2(13.45,65.58) v2(13.7,215.15) v2(14.4,11.2) v2(14.6,85.7) v2(14.7,66.4) v2(15.05,79.92) v2(15.29,68.9) v2(15.45,117.15) v2(15.7,114.4) v2(15.8,9) v2(15.9,73.8) v2(16.1,82.2) v2(16.3,7.9) v2(16.7,87.65) v2(17,74.8) v2(17.2,0.9) v2(17.3,18.7) v2(17.79,70.58) v2(17.9,11.4) v2(18.2,215.15) v2(18.38,84.72) v2(18.5,76.2) v2(18.61,46.21) v2(18.7,18.7) v2(19,90.15) v2(19.2,77.7) v2(19.3,72.5) v2(19.4,79.2) v2(19.7,114.4) v2(19.83,80.81) v2(20.7,111.4) v2(20.7,106.9) v2(20.7,102.9) v2(20.7,81.7) v2(20.8,86.8) v2(21.1,73.8) v2(21.7,90.9) v2(21.7,82.8) v2(21.66,71.4) v2(21.8,5.1) v2(22.2,215.15) v2(22.2,75) v2(23.1,72.4) v2(23.4,77.3) v2(23.6,5) v2(23.95,117.15) v2(24.2,114.4) v2(24.9,75.9) v2(25.7,81.1) v2(25.95,0.9) v2(26,82.7) v2(26.2,215.15) v2(26.3,84.3) v2(26.4,13.1) v2(26.46,74.44) v2(26.7,79.2) v2(26.8,91.4) v2(26.9,87.8) v2(28.2,114.4) v2(28.23,84.12) v2(28.2,72.7) v2(28.8,77.2) v2(28.8,39.4) v2(29,87.7) v2(29.1,79.9) v2(29.45,117.15) v2(29.6,71.3) v2(29.95,215.15) v2(30,37.95) v2(30.1,76) v2(30.22,91.01) v2(30.92,87.3) v2(32.2,114.4) v2(32.5,82.4) v2(32.6,86) v2(33.6,90.1) v2(33.8,77) v2(33.95,215.15) v2(33.95,117.15) v2(34.7,0.9) v2(35.2,76.1) v2(35.36,88.34) v2(36.15,80.18) v2(36.2,114.4) v2(36.3,85) v2(36.4,86.4) v2(36.95,73.8) v2(37,75.7) v2(37.2,79.4) v2(37.95,215.15) v2(38.6,75.65) v2(39.2,193.4) v2(39.2,189.4) v2(39.2,185.4) v2(39.2,180.9) v2(39.2,176.4) v2(39.2,172.4) v2(39.2,168.4) v2(39.2,163.9) v2(39.2,159.4) v2(39.2,155.4) v2(39.2,151.4) v2(39.2,147.4) v2(39.2,142.9) v2(39.2,138.9) v2(39.2,134.9) v2(39.2,130.4) v2(39.2,125.9) v2(39.2,121.9) v2(39.2,117.9) v2(39.45,208.9) v2(39.45,204.9) v2(39.45,200.9) v2(39.7,71.6) v2(40.2,114.4) v2(44.2,114.4) v2(44.45,0.9) v2(48.7,114.4) v2(49.45,53.4) v2(49.45,49.4) v2(49.45,44.9) v2(49.45,40.65) v2(50.45,35.65) v2(50.95,0.9) v2(52.7,114.4) v2(52.7,33.4) v2(55.45,30.65) v2(55.45,25.15) v2(55.45,11.15) v2(55.45,7.9) v2(55.45,5.15) v2(55.7,113.4) v2(55.7,109.4) v2(55.7,105.4) v2(55.7,100.9) v2(55.7,96.9) v2(55.7,92.9) v2(55.7,88.9) v2(55.7,84.9) v2(55.7,80.9) v2(55.7,76.4) v2(55.7,72.4) v3(41.8,76.1) v3(41.8,75.6) v3(41.8,74.7) v3(41.8,74.1) v3(42.8,76.1) v3(42.8,75.6) v3(42.8,74.7) v3(42.8,74.1) v3(43.3,76.1) v3(43.3,75.6) v3(43.3,74.7) v3(43.3,74.1) v3(43.8,76.1) v3(43.8,75.6) v3(43.8,74.7) v3(43.8,74.1) v3(44.8,76.1) v3(44.8,75.6) v3(44.8,74.7) v3(44.8,74.1) v4(12.89,17.05)
